# KiCad board JumperlessRev1.kicad_pcb (continued)
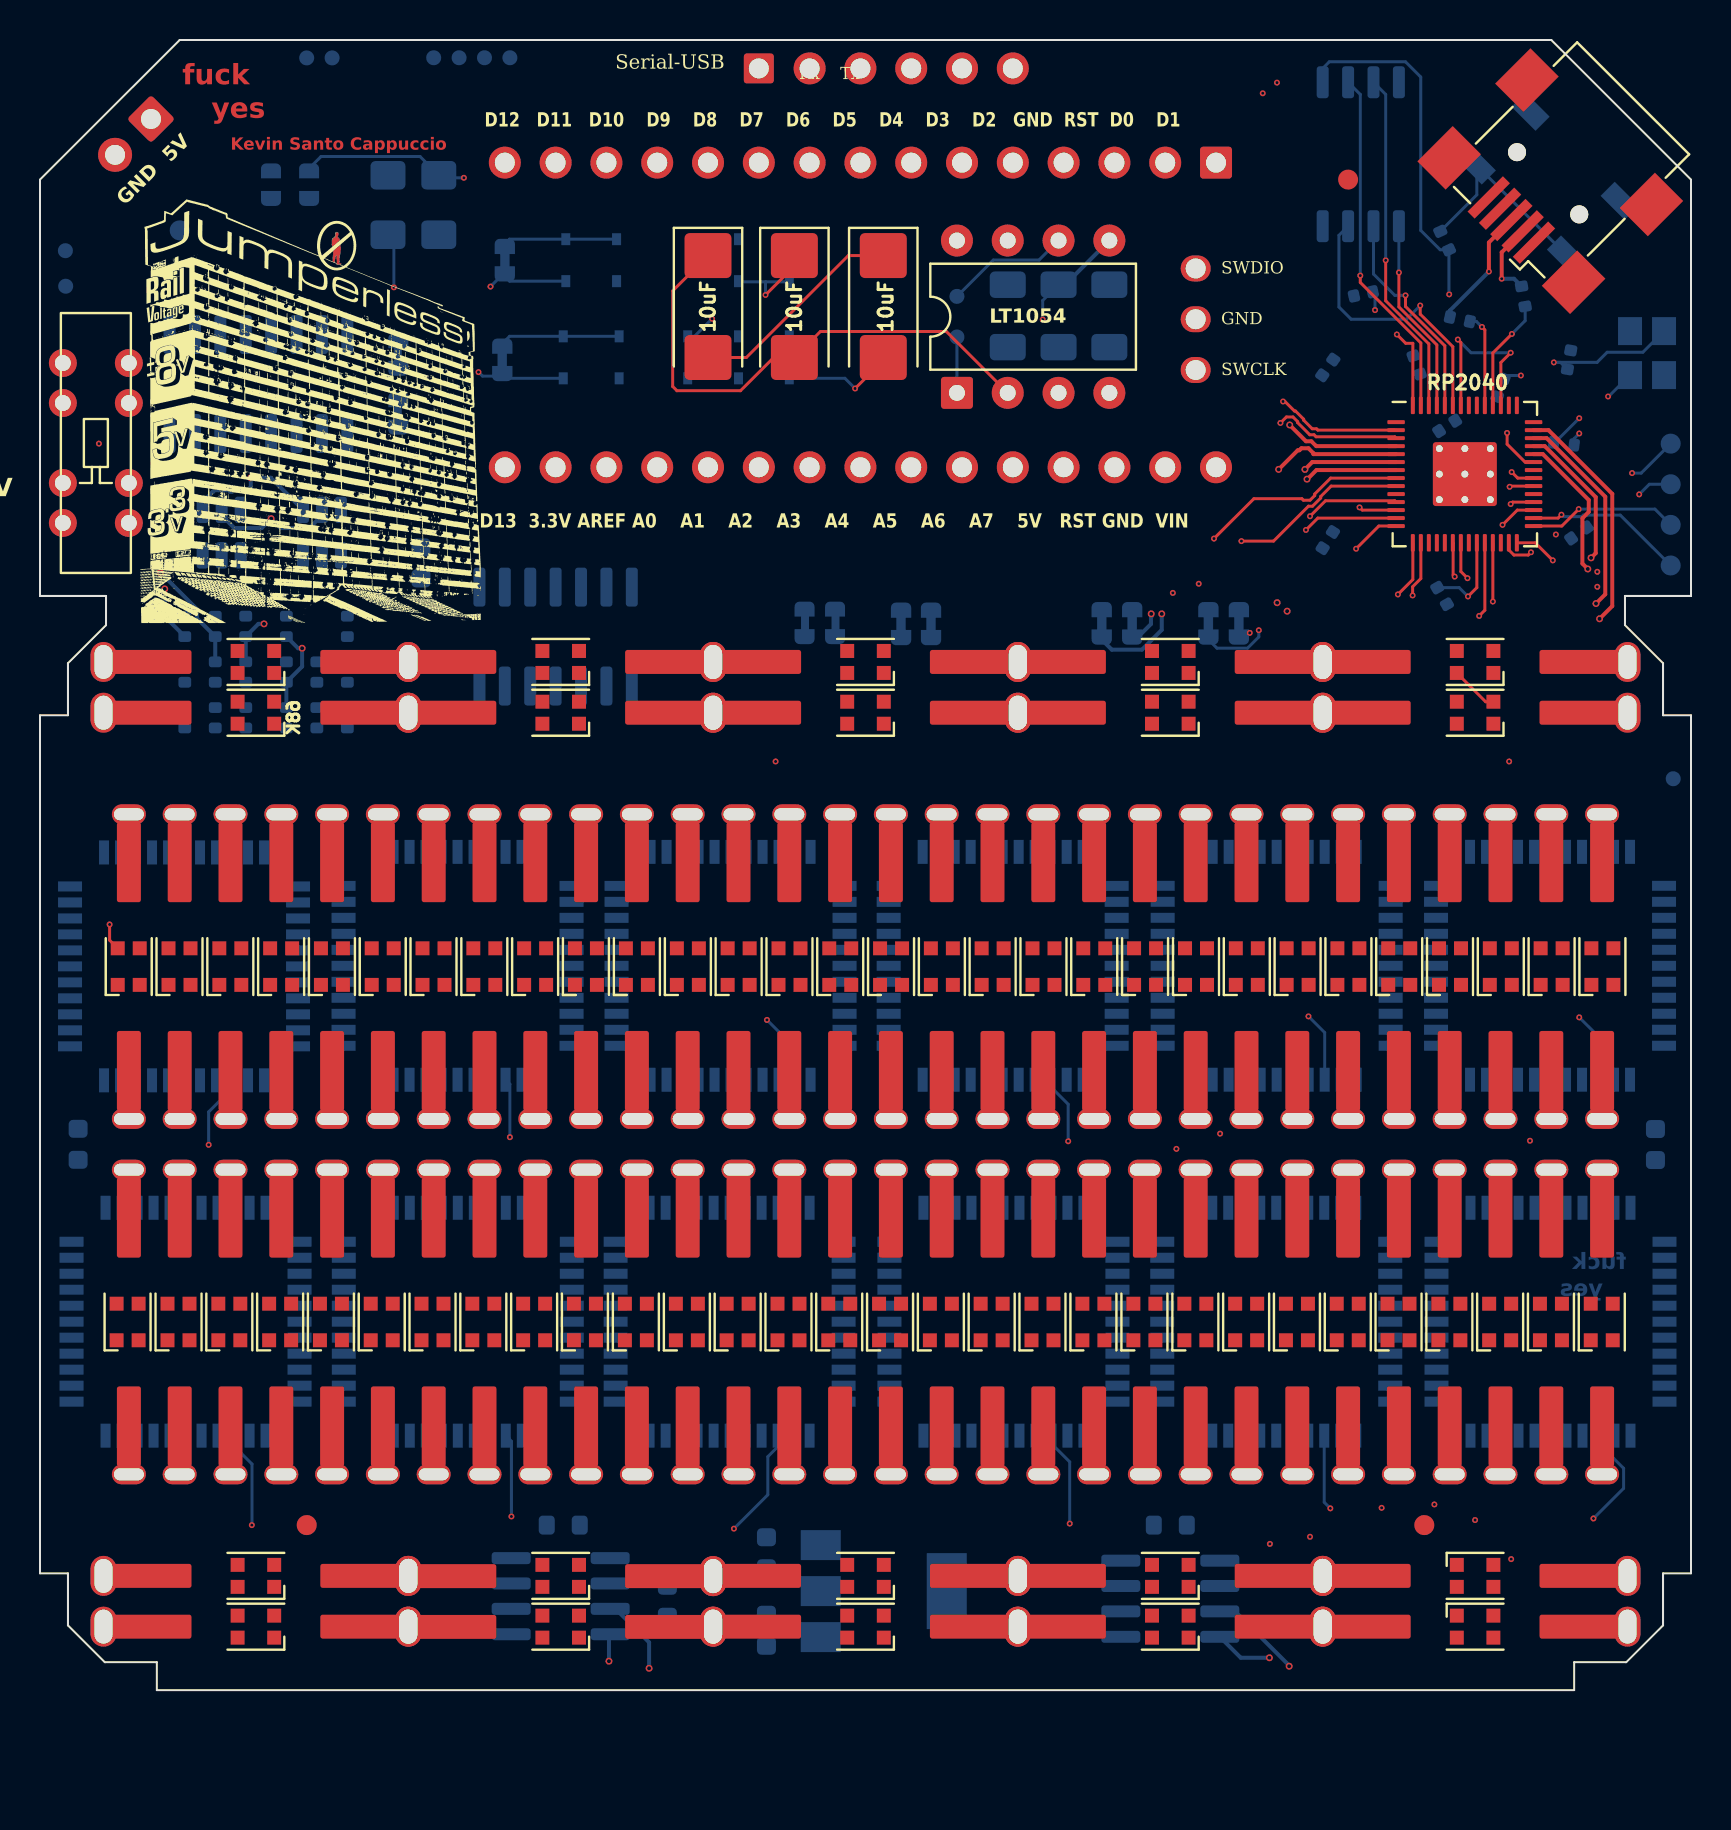
[diagram p0: board, top side]
## Footprints (pads in the part's own frame, mm; a bottom-side part is the same pattern mirrored in y, then rotated) (continued)
C_0402_1005Metric
  rrect 0.56x0.62 smd: 1(-0.48,0) 2(0.48,0)
C_0603_1608Metric
  rrect 0.9x0.95 smd: 1(-0.775,0) 2(0.775,0)
C_1206_3216Metric_Pad1.33x1.80mm_HandSolder
  rrect 1.325x1.8 smd: 1(-1.562,0) 2(1.562,0)
CP_EIA-6032-20_AVX-F_Pad2.25x2.35mm_HandSolder
  rrect 2.25x2.35 smd: 1(-2.55,0) 2(2.55,0)
Crystal_SMD_3225-4Pin_3.2x2.5mm
  rect 1.4x1.2 smd: 1(-1.1,-0.85) 2(1.1,-0.85) 3(1.1,0.85) 4(-1.1,0.85)
D_SOD-323
  rect 0.6x0.45 smd: 1(-1.05,0) 2(1.05,0)
DIP-8_W7.62mm
  rrect 1.6x1.6 hole 0.8: 1(0,0)
  oval 1.6x1.6 hole 0.8: 2(0,-2.54) 3(0,-5.08) 4(0,-7.62) 5(7.62,-7.62) 6(7.62,-5.08) 7(7.62,-2.54) 8(7.62,0)
Fiducial_1mm_Mask2mm
  round 1 smd: (0,0)
Fuse_1206_3216Metric_Pad1.42x1.75mm_HandSolder
  rrect 1.425x1.75 smd: 1(-1.488,0) 2(1.488,0)
LED_WS2812B-2020_PLCC4_2.0x2.0mm
  rect 0.7x0.7 smd: 1(-0.915,0.55) 2(-0.915,-0.55) 3(0.915,-0.55) 4(0.915,0.55)
LQFP44_Tight
  rect 1.2x0.5 smd: 1(-6.106,3.599) 2(-6.106,2.799) 3(-6.106,1.999) 4(-6.106,1.199) 5(-6.106,0.399) 6(-6.106,-0.401) 7(-6.106,-1.201) 8(-6.106,-2.001) 9(-6.106,-2.801) 10(-6.106,-3.601) 11(-6.106,-4.401) 23(5.294,-4.401) 24(5.294,-3.601) 25(5.294,-2.801) 26(5.294,-2.001) 27(5.294,-1.201) 28(5.294,-0.401) 29(5.294,0.399) 30(5.294,1.199) 31(5.294,1.999) 32(5.294,2.799) 33(5.294,3.599)
  rect 0.5x1.2 smd: 12(-4.406,-6.101) 13(-3.606,-6.101) 14(-2.806,-6.101) 15(-2.006,-6.101) 16(-1.206,-6.101) 17(-0.406,-6.101) 18(0.394,-6.101) 19(1.194,-6.101) 20(1.994,-6.101) 21(2.794,-6.101) 22(3.594,-6.101) 34(3.594,5.299) 35(2.794,5.299) 36(1.994,5.299) 37(1.194,5.299) 38(0.394,5.299) 39(-0.406,5.299) 40(-1.206,5.299) 41(-2.006,5.299) 42(-2.806,5.299) 43(-3.606,5.299) 44(-4.406,5.299)
PinHeader_1x02_P2.54mm_Vertical
  rrect 1.7x1.7 hole 1: 1(0,0)
  oval 1.7x1.7 hole 1: 2(0,-2.54)
PinHeader_1x03_P2.54mm_Vertical
  oval 1.5x1.3 hole 1: 1(0,0) 2(0,-2.54) 3(0,-5.08)
PinHeader_1x06_P2.54mm_Vertical
  rrect 1.5x1.5 hole 1: 1(0,0)
  oval 1.6x1.6 hole 1: 2(0,-2.54) 3(0,-5.08) 4(0,-7.62) 5(0,-10.16) 6(0,-12.7)
R_0402_1005Metric
  rrect 0.54x0.64 smd: 1(-0.51,0) 2(0.51,0)
R_0603_1608Metric
  rrect 0.8x0.95 smd: 1(-0.825,0) 2(0.825,0)
RP2040-QFN-56
  rrect 1.084x1.084 smd: (-0.637,0.637) (-0.637,-0.637) (0.637,0.637) (0.637,-0.637)
  rrect 0.875x0.2 smd: 1(-3.438,2.6) 2(-3.438,2.2) 3(-3.438,1.8) 4(-3.438,1.4) 5(-3.438,1) 6(-3.438,0.6) 7(-3.438,0.2) 8(-3.438,-0.2) 9(-3.438,-0.6) 10(-3.438,-1) 11(-3.438,-1.4) 12(-3.438,-1.8) 13(-3.438,-2.2) 14(-3.438,-2.6) 29(3.438,-2.6) 30(3.438,-2.2) 31(3.438,-1.8) 32(3.438,-1.4) 33(3.438,-1) 34(3.438,-0.6) 35(3.438,-0.2) 36(3.438,0.2) 37(3.438,0.6) 38(3.438,1) 39(3.438,1.4) 40(3.438,1.8) 41(3.438,2.2) 42(3.438,2.6)
  rrect 0.2x0.875 smd: 15(-2.6,-3.438) 16(-2.2,-3.438) 17(-1.8,-3.438) 18(-1.4,-3.438) 19(-1,-3.438) 20(-0.6,-3.438) 21(-0.2,-3.438) 22(0.2,-3.438) 23(0.6,-3.438) 24(1,-3.438) 25(1.4,-3.438) 26(1.8,-3.438) 27(2.2,-3.438) 28(2.6,-3.438) 43(2.6,3.438) 44(2.2,3.438) 45(1.8,3.438) 46(1.4,3.438) 47(1,3.438) 48(0.6,3.438) 49(0.2,3.438) 50(-0.2,3.438) 51(-0.6,3.438) 52(-1,3.438) 53(-1.4,3.438) 54(-1.8,3.438) 55(-2.2,3.438) 56(-2.6,3.438)
  round 0.6 hole 0.35: 57(-1.275,1.275) 57(-1.275,0) 57(-1.275,-1.275) 57(0,1.275) 57(0,0) 57(0,-1.275) 57(1.275,1.275) 57(1.275,0) 57(1.275,-1.275)
  rrect 3.2x3.2 smd: 57(0,0)
Slide_Switch_SSSS223600
  round 1.4 hole 0.8: 1(-1.65,0) 2(-1.65,-2) 3(-1.65,-6) 4(-1.65,-8) 5(1.65,0) 6(1.65,-2) 7(1.65,-6) 8(1.65,-8)
SOIC-8_3.9x4.9mm_P1.27mm
  rrect 1.95x0.6 smd: 1(-2.475,1.905) 2(-2.475,0.635) 3(-2.475,-0.635) 4(-2.475,-1.905) 5(2.475,-1.905) 6(2.475,-0.635) 7(2.475,0.635) 8(2.475,1.905)
SOIC-8_5.23x5.23mm_P1.27mm
  rrect 1.6x0.6 smd: 1(-3.6,1.905) 2(-3.6,0.635) 3(-3.6,-0.635) 4(-3.6,-1.905) 5(3.6,-1.905) 6(3.6,-0.635) 7(3.6,0.635) 8(3.6,1.905)
SOIC-14_3.9x8.7mm_P1.27mm
  rrect 1.95x0.6 smd: 1(-2.475,3.81) 2(-2.475,2.54) 3(-2.475,1.27) 4(-2.475,0) 5(-2.475,-1.27) 6(-2.475,-2.54) 7(-2.475,-3.81) 8(2.475,-3.81) 9(2.475,-2.54) 10(2.475,-1.27) 11(2.475,0) 12(2.475,1.27) 13(2.475,2.54) 14(2.475,3.81)
SOIC-16_3.9x9.9mm_P1.27mm
  rrect 1.95x0.6 smd: 1(-2.475,4.445) 2(-2.475,3.175) 3(-2.475,1.905) 4(-2.475,0.635) 5(-2.475,-0.635) 6(-2.475,-1.905) 7(-2.475,-3.175) 8(-2.475,-4.445) 9(2.475,-4.445) 10(2.475,-3.175) 11(2.475,-1.905) 12(2.475,-0.635) 13(2.475,0.635) 14(2.475,1.905) 15(2.475,3.175) 16(2.475,4.445)
SolderJumper_2_Bridged_Small
  custom 0.762x1.016 smd: 1(-0.813,0) 2(0.813,0)
SolderJumper_2_Bridged_Small#2
  custom 0.75x1 smd: 1(-0.813,-0.045) 2(0.813,-0.045)
SolderJumper_2_Open_Small
  custom 0.75x1 smd: 1(-0.813,-0.007) 2(0.813,-0.007)
SOT-23-6
  rrect 1.325x0.6 smd: 1(-1.137,0.95) 2(-1.137,0) 3(-1.137,-0.95) 4(1.137,-0.95) 5(1.137,0) 6(1.137,0.95)
SOT-223-3_TabPin2
  rect 2x1.5 smd: 1(-3.15,2.3) 2(-3.15,0) 3(-3.15,-2.3)
  rect 2x3.8 smd: 2(3.15,0)
SW_SPST_TL3342
  rect 1.7x1 smd: 1(-3.15,1.9) 1(3.15,1.9) 2(-3.15,-1.9) 2(3.15,-1.9)
TestPoint_D0.75mm
  round 0.75 smd: 1(0,0)
TestPoint_Pad_D1.0mm
  round 1 smd: 1(0,0)
USB_Mini-B_Wuerth_65100516121_Horizontal
  round 0.9 hole 0.9 unplated: (-2.2,0) (2.2,0)
  rect 0.5x2.5 smd: 1(-1.6,2.6) 2(-0.8,2.6) 3(0,2.6) 4(0.8,2.6) 5(1.6,2.6)
  rect 2x2.5 smd: 6(-4.4,2.6) 6(-4.4,-2.9) 6(4.4,2.6) 6(4.4,-2.9)

## Nets
+1V1: C9.1 C11.1 U9.23 U9.45 U9.50
+3V3: C8.1 C12.1 C18.1 C19.1 C20.1 C21.1 I1.1 J3.3 JP1.1 R14.1 SW2.4 SW2.8 U2.2 U4.5 U6.2 U6.5 U8.8 U9.1 U9.10 U9.22 U9.33 U9.42 U9.43 U9.44 U9.48 U9.49
+5V: C7.1 D1.1 D2.1 D3.1 D4.1 D5.1 D6.1 D7.1 D8.1 D9.1 D10.1 D11.1 D12.1 D13.1 D14.1 D15.1 D16.1 D17.1 D18.1 D19.1 D20.1 D21.1 D22.1 D23.1 D24.1 D25.1 D26.1 D27.1 D28.1 D29.1 D30.1 D62.2 J2.1 J5.1 J6.1 JP2.1 L1.1 R13.2 SW2.2 SW2.6 U1.8 U2.3 U3.3 U5.3 U5.6
+8V: F1.2 JP5.2 JP11.1 SW2.1 TP14.1 U7.4
+9V: A2.38 B1.38 C1.1 C16.1 C26.38 D61.1 D63.2 D70.38 E1.38 F5.38 G1.38 H1.38 I1.38 J6.38 K1.38 L1.38
-8V: F4.1 JP6.1 JP12.2 SW2.5 TP13.1 U7.11
-9V: A2.16 B1.16 C6.2 C25.2 C26.16 D66.1 D67.2 D70.16 E1.16 F5.16 G1.16 H1.16 I1.16 J6.16 K1.16 L1.16
GND: A1.4 A1.29 A2.10 A2.12 A2.18 A2.19 A2.20 A2.21 A2.40 A2.42 A2.43 B1.10 B1.12 B1.18 B1.19 B1.20 B1.21 B1.40 B1.42 B1.43 C1.2 C4.1 C6.1 C7.2 C8.2 C9.2 C11.2 C12.2 C13.2 C14.2 C16.2 C18.2 C19.2 C20.2 C21.2 C22.1 C23.1 C25.1 C26.10 C26.12 C26.18 C26.19 C26.20 C26.21 C26.40 C26.42 C26.43 D1.3 D2.3 D3.3 D4.3 D5.3 D6.3 D7.3 D8.3 D9.3 D10.3 D11.3 D12.3 D13.3 D14.3 D15.3 D16.3 D17.3 D18.3 D19.3 D20.3 D21.3 D22.3 D23.3 D24.3 D25.3 D26.3 D27.3 D28.3 D29.3 D30.3 D31.3 D32.3 D33.3 D34.3 D35.3 D36.3 D37.3 D38.3 D39.3 D40.3 D41.3 D42.3 D43.3 D44.3 D45.3 D46.3 D47.3 D48.3 D49.3 D50.3 D51.3 D52.3 D53.3 D54.3 D55.3 D56.3 D57.3 D58.3 D59.3 D60.3 D68.1 D70.10 D70.12 D70.18 D70.19 D70.20 D70.21 D70.40 D70.42 D70.43 D71.3 D72.3 D73.3 D74.3 D75.3 D76.3 D77.3 D78.3 D79.3 D80.3 D81.3 D82.3 D83.3 D84.3 D85.3 D86.3 D87.3 D88.3 D89.3 D90.3 E1.10 E1.12 E1.18 E1.19 E1.20 E1.21 E1.40 E1.42 E1.43 F5.10 F5.12 F5.18 F5.19 F5.20 F5.21 F5.40 F5.42 F5.43 G1.10 G1.12 G1.18 G1.19 G1.20 G1.21 G1.40 G1.42 G1.43 H1.10 H1.12 H1.18 H1.19 H1.20 H1.21 H1.40 H1.42 H1.43 I1.2 I1.10 I1.12 I1.18 I1.19 I1.20 I1.21 I1.40 I1.42 I1.43 J1.2 J2.2 J3.1 J4.0 J4.32 J5.5 J5.6 J6.2 J6.10 J6.12 J6.18 J6.19 J6.20 J6.21 J6.40 J6.42 J6.43 K1.10 K1.12 K1.18 K1.19 K1.20 K1.21 K1.40 K1.42 K1.43 L1.2 L1.10 L1.12 L1.18 L1.19 L1.20 L1.21 L1.40 L1.42 L1.43 R18.1 R19.2 R21.2 R22.2 R23.2 SW1.1 U1.3 U2.1 U3.2 U3.6 U4.1 U4.2 U4.6 U5.2 U6.1 U6.6 U8.4 U9.19 U9.57 Y1.2 Y1.4
VIN: A1.30
1: J4.1 L1.5
2: A2.35 J4.2
3: A2.37 J4.3
4: A2.39 J4.4
5: A2.17 J4.5
6: A2.15 J4.6
7: A2.13 J4.7
8: A2.11 J4.8
9: B1.35 J4.9
10: B1.37 J4.10
11: B1.39 J4.11
12: B1.17 J4.12
13: B1.15 J4.13
14: B1.13 J4.14
15: B1.11 J4.15
16: C26.35 J4.16
17: C26.37 J4.17
18: C26.39 J4.18
19: C26.17 J4.19
20: C26.15 J4.20
21: C26.13 J4.21
22: C26.11 J4.22
23: D70.35 J4.23
24: D70.37 J4.24
25: D70.39 J4.25
26: D70.17 J4.26
27: D70.15 J4.27
28: D70.13 J4.28
29: D70.11 J4.29
30: J4.30 L1.6
32: J4.33 L1.7
33: E1.35 J4.34
34: E1.37 J4.35
35: E1.39 J4.36
36: E1.17 J4.37
37: E1.15 J4.38
38: E1.13 J4.39
39: E1.11 J4.40
40: F5.35 J4.41
41: F5.37 J4.42
42: F5.39 J4.43
43: F5.17 J4.44
44: F5.15 J4.45
45: F5.13 J4.46
46: F5.11 J4.47
47: G1.35 J4.48
48: G1.37 J4.49
49: G1.39 J4.50
50: G1.17 J4.51
51: G1.15 J4.52
52: G1.13 J4.53
53: G1.11 J4.54
54: H1.35 J4.55
55: H1.37 J4.56
56: H1.39 J4.57
57: H1.17 J4.58
58: H1.15 J4.59
59: H1.13 J4.60
60: H1.11 J4.61
61: J4.62 L1.8
/AB0: A2.29 B1.31
/AB1: A2.28 B1.30
/AC0: A2.27 C26.31
/AC1: A2.26 C26.30
/AD0: A2.3 D70.31
/AD1: A2.4 D70.30
/AE0: A2.5 E1.31
/AF0: A2.7 F5.31
/AF1: A2.8 F5.30
/AG0: A2.25 G1.31
/AG1: A2.24 G1.30
/AH0: A2.1 H1.31
/AH1: A2.2 H1.30
/BC0: B1.27 C26.29
/BC1: B1.26 C26.28
/BD0: B1.3 D70.29
/BD1: B1.4 D70.28
/BE0: B1.5 E1.29
/BE1: B1.6 E1.28
/BF0: B1.7 F5.29
/BG0: B1.25 G1.29
/BG1: B1.24 G1.28
/BH0: B1.1 H1.29
/BH1: B1.2 H1.28
/CD0: C26.3 D70.27
/CD1: C26.4 D70.26
/CE0: C26.5 E1.27
/CE1: C26.6 E1.26
/CF0: C26.7 F5.27
/CF1: C26.8 F5.26
/CG0: C26.25 G1.27
/CH0: C26.1 H1.27
/CH1: C26.2 H1.26
/DE0: D70.5 E1.3
/DE1: D70.6 E1.4
/DF0: D70.7 F5.3
/DF1: D70.8 F5.4
/DG0: D70.25 G1.3
/DG1: D70.24 G1.4
/DH0: D70.1 H1.3
/EF0: E1.7 F5.5
/EF1: E1.8 F5.6
/EG0: E1.25 G1.5
/EG1: E1.24 G1.6
/EH0: E1.1 H1.5
/EH1: E1.2 H1.6
/FG0: F5.25 G1.7
/FG1: F5.24 G1.8
/FH0: F5.1 H1.7
/FH1: F5.2 H1.8
/GH0: G1.1 H1.25
/GH1: G1.2 H1.24
/QSPI_SCLK: U8.6 U9.52
/QSPI_SD0: U8.5 U9.53
/QSPI_SD1: U8.2 U9.55
/QSPI_SD2: U8.3 U9.54
/QSPI_SD3: U8.7 U9.51
/QSPI_SS: R5.1 U8.1 U9.56
/RUN: U9.26
/SWCLK: J1.1 U9.24
/SWD: J1.3 U9.25
/USB_D+: J5.3 R2.1
/USB_D-: J5.2 R3.1
/XIN: C13.1 U9.20 Y1.1
/XOUT: R12.1 U9.21
/~{USB_BOOT}: R5.2 SW1.2
A0: A1.19 I1.31 K1.31
A1: A1.20 J6.30 K1.30
A2: A1.21 I1.29 K1.29
A3: A1.22 J6.28 K1.28
A4: A1.23 I1.27 JP9.2 L1.25
A5: A1.24 J6.26 JP10.2 L1.24
A6: A1.25 I1.3
A7: A1.26 J6.4
ADC_BUFFERED_5V_0: R6.2 R7.1 U9.38
ADC_BUFFERED_5V_1: R8.2 R9.1 U9.39
ADC_BUFFERED_5V_2: R10.2 R11.1 U9.40
ADC_BUFFERED_+-8V_3: R14.2 R17.2 R19.1 U9.41
ADC_UNBUFFERED_5V_0: I1.24 L1.29 TP9.1 U7.3
ADC_UNBUFFERED_5V_1: J6.24 L1.28 TP10.1 U7.10
ADC_UNBUFFERED_5V_2: K1.2 L1.27 TP11.1 U7.12
ADC_UNBUFFERED_+-8V_3: L1.26 TP12.1 U7.5
AI: A2.31 I1.33
AJ: A2.30 J6.33
AK: A2.6 K1.33
AL: A2.33 L1.33
AREF: A1.18 J6.8
BI: B1.29 I1.35
BJ: B1.28 J6.35
BK: B1.8 K1.35
BL: B1.33 L1.35
BOTTOM_RAIL: C22.2 J4.63 SW2.7
CI: C26.27 I1.37
CJ: C26.26 J6.37
CK: C26.24 K1.37
CL: C26.33 L1.37
CLK: A2.34 B1.34 C26.34 D70.34 E1.34 F5.34 G1.34 H1.34 I1.34 J6.34 K1.34 L1.34 U9.18
CS_A: A2.14 U9.8
CS_B: B1.14 U9.9
CS_C: C26.14 U9.11
CS_D: D70.14 U9.12
CS_E: E1.14 U9.13
CS_F: F5.14 U9.14
CS_G: G1.14 U9.15
CS_H: H1.14 U9.16
CS_I: I1.14 U9.31
CS_J: J6.14 U9.32
CS_K: K1.14 U9.34
CS_L: L1.14 U9.35
CTS_UNCONNECTED: J3.2
CURR_SENSE+: L1.30 R1.1 U4.8
CURR_SENSE-: L1.31 R1.2 U4.7
CURR_SENSE_DAC+: R4.1 TP7.1 U6.8 U10.3 U10.14
CURR_SENSE_DAC-: I1.25 L1.4 R4.2 U6.7
D0: A1.2 J6.31 JP3.2
D1: A1.1 I1.30 JP7.2
D2: A1.5 J6.29 K1.27
D3: A1.6 I1.28 K1.26
D4: A1.7 J6.27 K1.3
D5: A1.8 I1.26 K1.4
D6: A1.9 J6.3 K1.5
D7: A1.10 I1.4 K1.6
D8: A1.11 J6.5 K1.7
D9: A1.12 I1.6 K1.8
D10: A1.13 J6.6 K1.25
D11: A1.14 I1.5 K1.24
D12: A1.15 J6.7 K1.1
D13: A1.16 I1.7
DAC_0_OUT: U3.1 U10.13
DAC_1_OUT: U5.1 U10.12
DAC_+-8V: J6.25 L1.3 R16.2 TP8.1 U10.5
DATA: A2.36 B1.36 C26.36 D70.36 E1.36 F5.36 G1.36 H1.36 I1.36 J6.36 K1.36 L1.36 U9.17
DI: D70.3 I1.39
DJ: D70.4 J6.39
DK: D70.2 K1.39
DL: D70.33 L1.39
DTR_UNCONNECTED: J3.6
EI: E1.5 I1.17
EJ: E1.6 J6.17
EK: E1.30 K1.17
EL: E1.33 L1.17
FI: F5.7 I1.15
FJ: F5.8 J6.15
FK: F5.28 K1.15
FL: F5.33 L1.15
GI: G1.25 I1.13
GJ: G1.24 J6.13
GK: G1.26 K1.13
GL: G1.33 L1.13
GPIO_16: TP1.1 U9.27
GPIO_17: TP2.1 U9.28
GPIO_18: TP3.1 U9.29
GPIO_19: TP4.1 U9.30
HI: H1.1 I1.11
HJ: H1.2 J6.11
HK: H1.4 K1.11
HL: H1.33 L1.11
I2C_SCL: U3.5 U4.4 U5.5 U6.4 U9.7
I2C_SCL_NANO: JP10.1 U9.4
I2C_SDA: U3.4 U4.3 U5.4 U6.3 U9.6
I2C_SDA_NANO: JP9.1 U9.5
LED_DATA_OUT: D1.4 U9.37
NANO_3V3: A1.17 JP1.2
NANO_5V: A1.27 JP2.2
NANO_~{RESET}: I1.8 JP13.1 JP14.1
NANO_~{RESET}_0: A1.28 JP13.2
NANO_~{RESET}_1: A1.3 JP14.2
RESET: A2.41 B1.41 C26.41 D70.41 E1.41 F5.41 G1.41 H1.41 I1.41 J6.41 K1.41 L1.41 U9.36
TOP_RAIL: C23.2 J4.31 SW2.3
UART_Rx: J3.5 JP3.1 U9.3
UART_Tx: J3.4 JP7.1 U9.2
Net-(C14-Pad1): C14.1 R12.2 Y1.3
Net-(D1-DOUT): D1.2 D2.4
Net-(D2-DOUT): D2.2 D3.4
Net-(D3-DOUT): D3.2 D4.4
Net-(D4-DOUT): D4.2 D5.4
Net-(D5-DOUT): D5.2 D6.4
Net-(D6-DOUT): D6.2 D7.4
Net-(D7-DOUT): D7.2 D8.4
Net-(D8-DOUT): D8.2 D9.4
Net-(D10-DIN): D9.2 D10.4
Net-(D10-DOUT): D10.2 D11.4
Net-(D11-DOUT): D11.2 D12.4
Net-(D12-DOUT): D12.2 D13.4
Net-(D13-DOUT): D13.2 D14.4
Net-(D14-DOUT): D14.2 D15.4
Net-(D15-DOUT): D15.2 D16.4
Net-(D16-DOUT): D16.2 D17.4
Net-(D17-DOUT): D17.2 D18.4
Net-(D18-DOUT): D18.2 D19.4
Net-(D19-DOUT): D19.2 D20.4
Net-(D20-DOUT): D20.2 D21.4
Net-(D21-DOUT): D21.2 D22.4
Net-(D22-DOUT): D22.2 D23.4
Net-(D23-DOUT): D23.2 D24.4
Net-(D24-DOUT): D24.2 D25.4
Net-(D25-DOUT): D25.2 D26.4
Net-(D26-DOUT): D26.2 D27.4
Net-(D27-DOUT): D27.2 D28.4
Net-(D28-DOUT): D28.2 D29.4
Net-(D29-DOUT): D29.2 D30.4
Net-(D30-DOUT): D30.2 D31.4
Net-(D31-DOUT): D31.2 D32.4
Net-(D31-VDD): D31.1 D32.1 D33.1 D34.1 D35.1 D36.1 D37.1 D38.1 D39.1 D40.1 D41.1 D42.1 D43.1 D44.1 D45.1 D46.1 D47.1 D48.1 D49.1 D50.1 D51.1 D52.1 D53.1 D54.1 D55.1 D56.1 D57.1 D58.1 D59.1 D60.1 D71.1 D72.1 D73.1 D74.1 D75.1 D76.1 D77.1 D78.1 D79.1 D80.1 D81.1 D82.1 D83.1 D84.1 D85.1 D86.1 D87.1 D88.1 D89.1 D90.1
Net-(D32-DOUT): D32.2 D33.4
Net-(D33-DOUT): D33.2 D34.4
Net-(D34-DOUT): D34.2 D35.4
Net-(D35-DOUT): D35.2 D36.4
Net-(D36-DOUT): D36.2 D37.4
Net-(D37-DOUT): D37.2 D38.4
Net-(D38-DOUT): D38.2 D39.4
Net-(D39-DOUT): D39.2 D40.4
Net-(D40-DOUT): D40.2 D41.4
Net-(D41-DOUT): D41.2 D42.4
Net-(D42-DOUT): D42.2 D43.4
Net-(D43-DOUT): D43.2 D44.4
Net-(D44-DOUT): D44.2 D45.4
Net-(D45-DOUT): D45.2 D46.4
Net-(D46-DOUT): D46.2 D47.4
Net-(D47-DOUT): D47.2 D48.4
Net-(D48-DOUT): D48.2 D49.4
Net-(D49-DOUT): D49.2 D50.4
Net-(D50-DOUT): D50.2 D51.4
Net-(D51-DOUT): D51.2 D52.4
Net-(D52-DOUT): D52.2 D53.4
Net-(D53-DOUT): D53.2 D54.4
Net-(D54-DOUT): D54.2 D55.4
Net-(D55-DOUT): D55.2 D56.4
Net-(D56-DOUT): D56.2 D57.4
Net-(D57-DOUT): D57.2 D58.4
Net-(D58-DOUT): D58.2 D59.4
Net-(D59-DOUT): D59.2 D60.4
Net-(D60-DOUT): D60.2 D71.4
Net-(D61-A): C2.1 D61.2 D62.1
Net-(D63-K): D63.1 D64.2 JP4.1
Net-(D64-K): D64.1 F1.1 JP4.2 JP5.1
Net-(D65-A): C5.2 D65.2 D67.1 D68.2
Net-(D65-K): C4.2 D65.1 U1.5
Net-(D66-A): D66.2 D69.1 JP8.2
Net-(D69-A): D69.2 F4.2 JP6.2 JP8.1
Net-(D71-DOUT): D71.2 D72.4
Net-(D72-DOUT): D72.2 D73.4
Net-(D73-DOUT): D73.2 D74.4
Net-(D74-DOUT): D74.2 D75.4
Net-(D75-DOUT): D75.2 D76.4
Net-(D76-DOUT): D76.2 D77.4
Net-(D77-DOUT): D77.2 D78.4
Net-(D78-DOUT): D78.2 D79.4
Net-(D79-DOUT): D79.2 D80.4
Net-(D80-DOUT): D80.2 D81.4
Net-(D81-DOUT): D81.2 D82.4
Net-(D82-DOUT): D82.2 D83.4
Net-(D83-DOUT): D83.2 D84.4
Net-(D84-DOUT): D84.2 D85.4
Net-(D85-DOUT): D85.2 D86.4
Net-(D86-DOUT): D86.2 D87.4
Net-(D87-DOUT): D87.2 D88.4
Net-(D88-DOUT): D88.2 D89.4
Net-(D89-DOUT): D89.2 D90.4
Net-(D90-DOUT): D90.2 TP15.1
Net-(JP11-B): JP11.2 U10.4
Net-(JP12-A): JP12.1 U10.6
Net-(R11-Pad2): R11.2 R23.1
Net-(R13-Pad1): R13.1 R15.1 R18.2
Net-(R16-Pad1): R16.1 R20.2
Net-(R21-Pad1): R7.2 R21.1
Net-(R22-Pad1): R9.2 R22.1
Net-(U1-CAP+): C2.2 C3.1 U1.2
Net-(U1-CAP-): C3.2 C5.1 U1.4
Net-(U1-FB/SHDN): TP5.1 U1.1
Net-(U1-VREF): TP6.1 U1.6
Net-(U7A--): R6.1 U7.1 U7.2
Net-(U7B--): R17.1 U7.6 U7.7
Net-(U7C--): R8.1 U7.8 U7.9
Net-(U7D--): R10.1 U7.13 U7.14
Net-(U9-USB_DM): R3.2 U9.46
Net-(U9-USB_DP): R2.2 U9.47
Net-(U10B--): R15.2 R20.1 U10.11

Pads without a net: A2 9 22 23 32 44; B1 9 22 23 32 44; C26 9 22 23 32 44; D70 9 22 23 32 44; E1 9 22 23 32 44; F5 9 22 23 32 44; G1 9 22 23 32 44; H1 9 22 23 32 44; I1 9 22 23 32 44; J5 4; J6 9 22 23 32 44; K1 9 22 23 32 44; L1 9 22 23 32 44; U1 7; U10 1 2 7 8 9 10 15 16

## Via types
v1: diameter 0.3, hole 0.15, Top to Bottom, 87 vias
v2: diameter 0.35, hole 0.2, Top to Bottom, 22 vias

## Routing (per net, layer and track width the routed paths; a pad name or vN(x,y) marks a point on that pad's centre or on a via; arc(x,y) is an arc through that point)
+1V1: length 20.1
  Top w0.15: U9.23 71.84,55.15 v1(71.4,54.71) ; U9.50 71.04,67.41 v1(70.89,67.56) ; v1(73.53,66.9) 73.04,66.41 U9.45
  In1.Cu w0.15: v1(66.75,69.04) 66.75,68.07 67.44,67.39 70.71,67.39 v1(70.89,67.56)
  Bottom w0.15: C9.1 66.75,69.84 v1(66.75,69.04) ; v1(71.4,54.71) 70.96,55.15 C11.1 ; v1(73.53,66.9) 71.55,66.9 v1(70.89,67.56)
(no net): length 1.9
  In2.Cu w0.15: 46.79,-5 48.71,-5
/QSPI_SCLK: length 10.8
  Top w0.15: U9.52 70.24,67.25 68.28,69.22 v1(68.28,69.77)
  Bottom w0.15: v1(68.28,69.77) 67.74,69.77 66.67,70.84 U8.6
/QSPI_SD0: length 9.8
  Top w0.15: v1(67.95,70.92) 67.95,69.2 69.84,67.3 U9.53
  Bottom w0.15: U8.5 v1(67.95,70.92)
/QSPI_SD1: length 17.7
  Top w0.15: v1(66.01,70.76) 66.01,70.42 69.04,67.39 U9.55
  Bottom w0.15: U8.2 66.01,79.83 v1(66.01,70.76)
/QSPI_SD2: length 17.3
  Top w0.15: U9.54 69.44,67.35 67.28,69.5 v1(67.28,71.53)
  Bottom w0.15: U8.3 67.28,79.83 v1(67.28,71.53)
/QSPI_SD3: length 14.5
  Top w0.15: v1(69.01,69.27) 69.01,68.83 70.64,67.2 70.64,64.27
  Bottom w0.15: v1(69.01,69.27) 68.33,68.58 65.56,68.58 64.95,69.19 64.95,72.78 U8.7
/QSPI_SS: length 25.3
  Top w0.15: v1(67.84,67.82) 68.29,67.37 68.64,67.37 68.64,64.27
  In1.Cu w0.15: v1(67.84,67.82) 68.45,67.82 v1(70.46,69.82)
  Bottom w0.15: v1(70.46,69.82) 70.45,69.84 R5.1 70.01,72.05 69.04,73.02 69.04,80.7 68.27,81.46 64.47,81.46 64.14,81.13 U8.1
/SWCLK: length 31.2
  Top w0.15: U9.24 72.24,54.02 v1(71.96,53.74)
  In1.Cu w0.15: v1(56.64,54.89) 62.82,54.89 63.99,53.72 71.94,53.72 v1(71.96,53.74)
  In2.Cu w0.15: J1.1 57.43,65.68 57.43,55.68 v1(56.64,54.89)
/SWD: length 35.2
  Top w0.15: v1(72.64,54.46) 72.64,54.46 72.64,57.4
  In1.Cu w0.15: v1(72.64,54.46) 71.73,54.46 71.4,54.13 64,54.13 62.94,55.19 62.87,55.19 62.71,55.35 v1(57.94,55.35)
  In2.Cu w0.15: J1.3 59,69.9 59,65.56 57.68,64.23 57.68,55.61 v1(57.94,55.35)
/USB_D+: length 6.1
  Top w0.2: v1(72.45,70.96) 72.45,72.42 J5.3
  Bottom w0.2: R2.1 70.5,69.02 v1(72.45,70.96)
/USB_D-: length 4
  Top w0.2: v1(73.09,70.6) 73.09,71.93 J5.2
  Bottom w0.2: R3.1 73.7,70.6 v1(73.09,70.6)
/XIN: length 26.2
  Top w0.15: v1(70.73,55.7) 70.66,55.78 70.66,57.38 70.64,57.4
  In1.Cu w0.15: v1(77.86,55.19) 77.81,55.14 71.3,55.14 v1(70.73,55.7) ; v1(74.05,65.76) 74.33,65.48 77.64,65.48 v1(78.41,64.71)
  In2.Cu w0.15: v1(77.86,55.19) 78.55,55.88 78.55,64.57 v1(78.41,64.71)
  Bottom w0.15: 79.5,65.79 78.43,64.71 v1(78.41,64.71) ; C13.1 73.35,65.76 v1(74.05,65.76)
/XOUT: length 18.7
  Top w0.15: U9.21 71.04,55.96 v1(71.37,55.63)
  In1.Cu w0.15: v1(71.37,55.63) 71.56,55.44 77.36,55.44 v1(77.86,55.95)
  In2.Cu w0.15: v1(76.96,63.63) 78.07,62.52 78.07,56.16 v1(77.86,55.95)
  Bottom w0.15: R12.1 75.76,62.42 v1(76.96,63.63)
/~{USB_BOOT}: length 10.3
  Bottom w0.15: R5.2 71.84,74.81 SW1.2 SW1.2
ADC_BUFFERED_5V_0: length 82.1
  Top w0.2: U9.38 75.14,61.83 77.44,59.54 77.44,58.94 77.12,58.62 77.12,56.36 v2(77.39,56.09)
  In1.Cu w0.2: v2(6.24,55.09) 7.27,56.12 74.92,56.12 75.28,55.77 77.07,55.77 v2(77.39,56.09)
  Bottom w0.2: v2(6.24,55.09) 6.24,53.71 R6.2
ADC_BUFFERED_5V_1: length 85
  Top w0.2: v2(77.55,56.64) 77.79,56.88 77.79,59.68 75.24,62.23 U9.39
  In1.Cu w0.2: v2(77.55,56.64) 77.34,56.64 76.82,56.12 75.42,56.12 75.07,56.47 6.59,56.47 v2(6.02,55.91)
  Bottom w0.2: v2(6.02,55.91) 7.85,54.08 7.85,53.62 R8.2 R9.1
ADC_BUFFERED_5V_2: length 81.5
  Top w0.2: U9.40 75.33,62.63 78.26,59.7 78.26,54.82 v2(77.8,54.36)
  In1.Cu w0.2: v2(11.2,53.34) 13.2,55.34 52.34,55.34 54.27,53.41 60.76,53.41 60.78,53.42 61.11,53.42 61.19,53.34 72.57,53.34 73.58,54.36 v2(77.8,54.36)
  Bottom w0.2: v2(11.2,53.34) 10.92,53.34 R10.2 R11.1
ADC_BUFFERED_+-8V_3: length 83.6
  Top w0.2: v2(77.98,53.59) 78.61,54.23 78.61,59.84 75.42,63.03 U9.41
  In1.Cu w0.2: v2(77.98,53.59) 77.07,52.69 61.15,52.69 60.96,52.49 54.7,52.49 52.2,54.99 15.98,54.99 v2(13.11,52.12)
  Bottom w0.2: R17.2 R19.1 13.11,51.21 v2(13.11,52.12) 12.9,52.12 R14.2
CS_A: length 94.6
  Top w0.15: v1(58.7,57.61) 60.69,59.6 63.09,59.6 63.17,59.53 63.5,59.53 63.74,59.76 63.74,59.84 64.53,60.63 U9.8
  In1.Cu w0.15: v1(56.82,27.08) 8.64,27.08 v1(8.43,27.28)
  In2.Cu w0.15: v1(58.7,57.61) 58.86,57.45 58.86,28.27 57.66,27.08 v1(56.82,27.08)
  Bottom w0.15: A2.14 9.6,30.09 8.43,28.93 v1(8.43,27.28)
CS_B: length 77.5
  Top w0.15: U9.9 64.56,60.23 64.03,59.71 64.03,59.64 63.63,59.23 63.42,59.23 61.68,57.48 v1(60.07,57.48)
  In1.Cu w0.15: v1(59,27.84) 23.67,27.84 v1(23.5,27.66)
  In2.Cu w0.15: v1(60.07,57.48) 59.11,56.52 59.11,27.94 v1(59,27.84)
  Bottom w0.15: v1(23.5,27.66) 23.5,30.32 B1.14
CS_C: length 34.8
  Top w0.15: U9.11 67.74,59.5 64.27,59.5 v1(63.5,58.72)
  In2.Cu w0.15: v1(63.5,58.72) 63.73,58.5 63.73,52.62 61.79,50.68 61.79,35.34 v1(63.42,33.71)
  Bottom w0.15: C26.14 64.23,32.9 v1(63.42,33.71)
CS_D: length 40.4
  Top w0.15: v1(65.98,59.17) 66.11,59.03 U9.12
  In1.Cu w0.15: v1(65.98,59.17) 67.33,57.81 v1(75.79,57.81)
  In2.Cu w0.15: v1(75.79,57.81) 75.79,57.25 76.96,56.08 v1(76.96,33.66)
  Bottom w0.15: D70.14 77.9,32.72 v1(76.96,33.66)
CS_E: length 112.6
  Top w0.15: v1(63.3,58.04) 63.89,58.63 U9.13
  In1.Cu w0.15: v1(61.49,7.32) 36.02,7.32 34.82,8.51 23.95,8.51 23.7,8.25 v1(10.59,8.25)
  In2.Cu w0.15: v1(63.3,58.04) 63.26,58 63.26,52.5 61.49,50.73 v1(61.49,7.32)
  Bottom w0.15: E1.14 9.68,12.23 10.6,11.31 10.6,8.26 v1(10.59,8.25)
CS_F: length 97.5
  Top w0.15: v1(65.8,57.1) 66.94,58.23 U9.14
  In1.Cu w0.15: v1(23.57,8.69) 23.64,8.76 34.93,8.76 36.01,7.67 v1(63.5,7.67)
  In2.Cu w0.15: v1(65.8,57.1) 65.8,45.43 64.91,44.54 64.75,44.54 64.33,44.12 64.33,9.69 63.5,8.85 v1(63.5,7.67)
  Bottom w0.15: v1(23.57,8.69) 23.57,12.45 F5.14
CS_G: length 55.4
  Top w0.15: 68.64,57.4 68.64,55.56 v1(67.89,54.81)
  In1.Cu w0.15: v1(64.52,9.09) 64.54,9.12 v1(67.08,9.12)
  In2.Cu w0.15: v1(67.89,54.81) 66.87,53.79 66.87,9.33 v1(67.08,9.12)
  Bottom w0.15: G1.14 64.21,9.4 v1(64.52,9.09)
CS_H: length 62.3
  Top w0.15: v1(68.63,54.76) 68.63,55.2 69.04,55.61 U9.16
  In1.Cu w0.15: v1(69.72,9.29) 76.97,9.29 v1(77.67,8.59)
  In2.Cu w0.15: v1(69.72,9.29) 69.02,9.99 69.02,54.37 v1(68.63,54.76)
  Bottom w0.15: v1(77.67,8.59) 79.18,10.09 79.18,11.1 77.92,12.35 H1.14
CS_I: length 67.4
  Top w0.15: U9.31 73.87,59.03 v1(73.13,58.29)
  In1.Cu w0.15: v1(73.46,46.46) v1(36.78,46.46)
  In2.Cu w0.15: v1(36.35,33.53) 36.39,33.57 36.39,46.07 v1(36.78,46.46) ; v1(73.13,58.29) 73.13,56.61 74.1,55.64 74.1,47.1 v1(73.46,46.46)
  Bottom w0.15: v1(36.35,33.53) 36.93,32.95 I1.14
CS_J: length 100.8
  Top w0.15: v1(73.53,59.33) 73.63,59.43 U9.32
  In1.Cu w0.15: v1(73.56,6.55) 73.17,6.94 35.83,6.94 v1(34.7,8.08)
  In2.Cu w0.15: v1(73.53,59.33) 72.77,58.57 72.77,56.61 73.85,55.53 73.85,47.39 73.05,46.59 73.05,45.16 74.1,44.12 74.1,7.09 v1(73.56,6.55)
  Bottom w0.15: v1(34.7,8.08) 36.39,9.77 36.39,11.68 36.88,12.17 J6.14
CS_K: length 79.6
  Top w0.15: U9.34 73.52,60.23 v1(73.48,60.2)
  In1.Cu w0.15: v1(71.75,8.51) 51.66,8.51 v1(51.49,8.33)
  In2.Cu w0.15: v1(71.75,8.51) 71.75,45.64 73.6,47.49 73.6,55.43 72.52,56.51 72.52,58.82 73.48,59.78 v1(73.48,60.2)
  Bottom w0.15: v1(51.49,8.33) 51.49,11.42 50.57,12.33 K1.14
CS_L: length 61.8
  Top w0.15: U9.35 73.89,60.63 v1(73.58,60.93)
  In1.Cu w0.15: v1(51.41,27.46) 51.44,27.48 v1(74.5,27.48)
  In2.Cu w0.15: v1(74.5,27.48) 74.35,27.63 74.35,55.8 74.02,56.13 74.02,60.78 73.58,60.78 v1(73.58,60.93)
  Bottom w0.15: L1.14 50.53,30.18 51.41,29.31 v1(51.41,27.46)
GPIO_16: length 11.2
  Top w0.15: U9.27 73.44,57.04 73.7,56.78 74.41,56.78 v1(74.55,56.92)
  In1.Cu w0.15: v1(74.55,56.92) 74.83,57.2 76.43,57.2 79.6,60.38 v1(79.6,60.88)
  Bottom w0.15: v1(79.6,60.88) 80.06,60.88 TP1.1
GPIO_17: length 9.6
  Top w0.15: U9.28 74.76,57.4 v1(75.64,56.51)
  In1.Cu w0.15: v1(79.96,59.82) 79.4,59.82 76.53,56.95 76.08,56.95 v1(75.64,56.51)
  Bottom w0.15: TP2.1 80.47,60.32 v1(79.96,59.82)
GPIO_18: length 7.5
  Top w0.15: U9.29 76.09,58.23 v1(76.94,59.08)
  Bottom w0.15: TP3.1 80.75,59.08 v1(76.94,59.08)
GPIO_19: length 8
  Top w0.15: v1(76.07,58.8) 75.9,58.63 U9.30
  Bottom w0.15: TP4.1 79.01,58.78 77.17,58.78 77.09,58.71 76.17,58.71 v1(76.07,58.8)
I2C_SCL: length 162.4
  Top w0.2: U9.7 63.82,61.03 63.37,60.58 v2(63.35,60.58)
  In1.Cu w0.2: v2(11.56,58.61) 11.63,58.68 61.45,58.68 v2(63.35,60.58) ; v2(61.47,1.62) 28.62,1.62 v2(28.45,1.45)
  In2.Cu w0.2: v2(63.35,60.58) 65.23,58.7 65.23,45.47 64.01,44.25 64.01,9.82 61.89,7.71 61.89,2.04 v2(61.47,1.62)
  Bottom w0.2: 28.51,2.79 28.45,2.73 v2(28.45,1.45) ; U6.4 60.04,1.62 v2(61.47,1.62) ; U3.5 9.08,58.77 9.72,58.13 11.08,58.13 v2(11.56,58.61) 12.03,58.13 13.46,58.13 14.1,58.77 U5.5
I2C_SCL_NANO: length 25.9
  Top w0.2: U9.4 63.81,62.23 63.57,62.48 63.3,62.48 v2(62.48,63.29)
  In1.Cu w0.2: v2(62.36,53.97) 56.22,53.97 v2(56.09,53.84)
  In2.Cu w0.2: v2(62.48,63.29) 62.36,63.16 v2(62.36,53.97)
  Bottom w0.2: v2(56.09,53.84) 56.09,53.04 55.1,52.05 53.59,52.05 JP10.1
I2C_SDA: length 170.4
  Top w0.2: U9.6 63.61,61.43 v2(63.25,61.07)
  In1.Cu w0.2: v2(10.54,60.65) 12.08,59.11 60.65,59.11 62.61,61.07 v2(63.25,61.07) ; v2(62.46,1.19) 30.56,1.19 v2(30.45,1.09)
  In2.Cu w0.2: v2(63.25,61.07) 63.81,61.07 65.58,59.31 65.58,58.87 66.55,57.9 66.55,3.96 63.78,1.19 v2(62.46,1.19)
  Bottom w0.2: U3.4 8.13,59.44 8.64,59.95 8.66,59.95 8.74,60.03 9.43,60.03 9.51,59.95 9.61,59.95 9.69,60.03 10.38,60.03 10.54,60.19 v2(10.54,60.65) 11.54,60.65 U5.4 ; v2(30.45,1.09) 30.45,2.39 28.78,4.06 28.51,4.06 ; U6.3 59.75,3.94 62.46,1.23 v2(62.46,1.19)
I2C_SDA_NANO: length 21.6
  Top w0.2: U9.5 63.67,61.83 63.67,61.88 63.42,62.13 63.07,62.13 62.97,62.02 62.89,62.02 v2(61.93,61.07)
  In1.Cu w0.2: v2(61.86,54.4) 55.82,54.4 55.56,54.14 v2(55.56,53.84)
  In2.Cu w0.2: v2(61.86,54.4) 61.86,60.99 v2(61.93,61.07)
  Bottom w0.2: JP9.1 54.77,52.55 55.55,53.33 55.55,53.65 55.56,53.67 v2(55.56,53.84)
LED_DATA_OUT: length 102.4
  Top w0.15: v1(3.48,38.3) 3.48,37.52 D1.4 ; v1(73.36,62.89) 73.36,62.33 74.25,61.43 U9.37
  In1.Cu w0.15: v1(2.95,62.36) 3.71,61.59 10.26,61.59 12.29,59.56 58.57,59.56 59.78,60.77 59.78,61.58 72.73,61.58 73.04,61.89 73.04,62.33 72.92,62.45 v1(73.36,62.89)
  In2.Cu w0.15: v1(2.95,62.36) 2.95,55.55 4.05,54.45 4.05,44.8 3.3,44.05 3.3,38.48 v1(3.48,38.3)
UART_Rx: length 54.3
  Top w0.15: v1(62.02,63.39) 62.08,63.45 62.32,63.69 62.65,63.69 62.88,63.46 62.88,63.4 63.49,62.8 63.7,62.8 63.8,62.7 67.74,62.7 U9.3
  In1.Cu w0.15: J3.5 47.08,80.15 57.88,80.15 58.19,80.47 61.8,80.47 v1(61.85,80.42)
  In2.Cu w0.15: v1(61.85,80.42) 62.59,79.68 62.59,63.96 62.32,63.69 v1(62.02,63.39) 61.19,62.56 61.19,53.27 v1(60.94,53.02)
  Bottom w0.15: v1(60.94,53.02) 60.94,52.69 60.38,52.12 58.85,52.12 JP3.1
UART_Tx: length 53.2
  Top w0.15: U9.2 63.89,63.03 63.83,63.1 63.61,63.1 63.18,63.53 63.18,63.58 62.77,63.99 62.72,63.99 62.25,64.47 v1(62.15,64.47)
  In1.Cu w0.15: v1(61.14,79.88) 44.81,79.88 J3.4
  In2.Cu w0.15: v1(61.14,79.88) 62.15,78.87 v1(62.15,64.47) 60.49,62.8 v1(60.49,52.89)
  Bottom w0.15: JP7.1 60.15,52.55 v1(60.49,52.89)
Net-(C14-Pad1): length 11.7
  In2.Cu w0.15: v1(76.96,62.86) 75.69,64.13 v1(75.69,66.42)
  Bottom w0.15: C14.1 76.02,66.42 v1(75.69,66.42) 77.85,66.42 78.36,66.93 80.14,66.93 Y1.3 ; v1(76.96,62.86) 76.71,62.61 R12.2
Net-(D61-A): length 5.8
  Top w0.15: v1(36.28,69.79) 37.72,71.24 C2.1
  Bottom w0.15: 36.28,70.45 36.28,70.44 v1(36.28,69.79) ; 36.28,70.45 D61.2 ; 36.28,70.45 34.96,70.45 D62.1
Net-(D63-K): length 5.7
  Bottom w0.15: JP4.1 23.48,72.58 D64.2 D63.1
Net-(D64-K): length 11.7
  In1.Cu w0.15: v1(22.52,70.21) 17.73,70.21 v1(17.7,70.17)
  Bottom w0.15: v1(22.52,70.21) 23.03,70.72 JP4.2 23.48,70.48 D64.1 ; F1.1 17.7,72.51 v1(17.7,70.17)
Net-(D65-A): length 5.6
  Top w0.15: C5.2 42.16,66.52 v1(40.75,65.11)
  Bottom w0.15: v1(40.75,65.11) 40.25,65.62 D68.2
Net-(D65-K): length 23.7
  In1.Cu w0.15: v1(33.61,68.6) 50.09,68.6 v1(50.14,68.56)
  Bottom w0.15: v1(33.61,68.6) 32.72,67.72 D65.1 ; C4.2 50.14,69.52 v1(50.14,68.56)
  Bottom w0.2: U1.5 51.26,70.31 C4.2
Net-(D66-A): length 6
  Bottom w0.15: D66.2 D69.1 23.48,67.72 JP8.2
Net-(D69-A): length 22.8
  In2.Cu w0.15: v1(21.2,75.65) 21.93,74.92 v1(21.93,65.93)
  Bottom w0.15: JP6.2 14.05,76.72 19,76.72 F4.2 20.07,75.65 v1(21.2,75.65) ; v1(21.93,65.93) 22.12,65.74 JP8.1 23.22,65.62 D69.2
Net-(D87-DOUT): length 2.4
  Top w0.15: D87.2 72.28,49.44 70.84,50.88
Net-(U1-CAP+): length 26.6
  Top w0.15: U1.2 45.32,67.96 39.02,67.96 C2.2 36.69,66.66 35.03,65 31.84,65 31.64,65.21 31.64,70 C3.1
Net-(U1-CAP-): length 10.9
  Top w0.15: C3.2 35.32,66.66 40.42,71.76 C5.1
Net-(U1-FB/SHDN): length 2.8
  Bottom w0.15: TP5.1 U1.1
Net-(U1-VREF): length 6.2
  Bottom w0.15: U1.6 49.95,71.54 47.67,71.54 TP6.1
Net-(U9-USB_DM): length 5.6
  Top w0.15: 72.64,64.27 72.64,66.89 v1(73.59,67.84)
  Bottom w0.15: R3.2 74.26,68.51 v1(73.59,67.84)
Net-(U9-USB_DP): length 4.7
  Top w0.15: U9.47 72.24,68.05 v1(72.09,68.19)
  Bottom w0.15: R2.2 71.82,68.47 v1(72.09,68.19)

Small or netless copper shapes (teardrops, artwork), in the pictures only: 2 on Top

## Text on the board
